# Altium PCB GrunMasterBox.PcbDoc (part 2 of 3)
Units mil, origin at the board's own origin, x right, y up, seen from the top; angles counter-clockwise.
Board outline 5866.14 x 2850.39 mil, 4 copper layers (Component Side, Ground Plane, Power Plane, Solder Side), stack 67.604 mil thick; 165 components, 119 nets, 595 pads, 2267 vias.
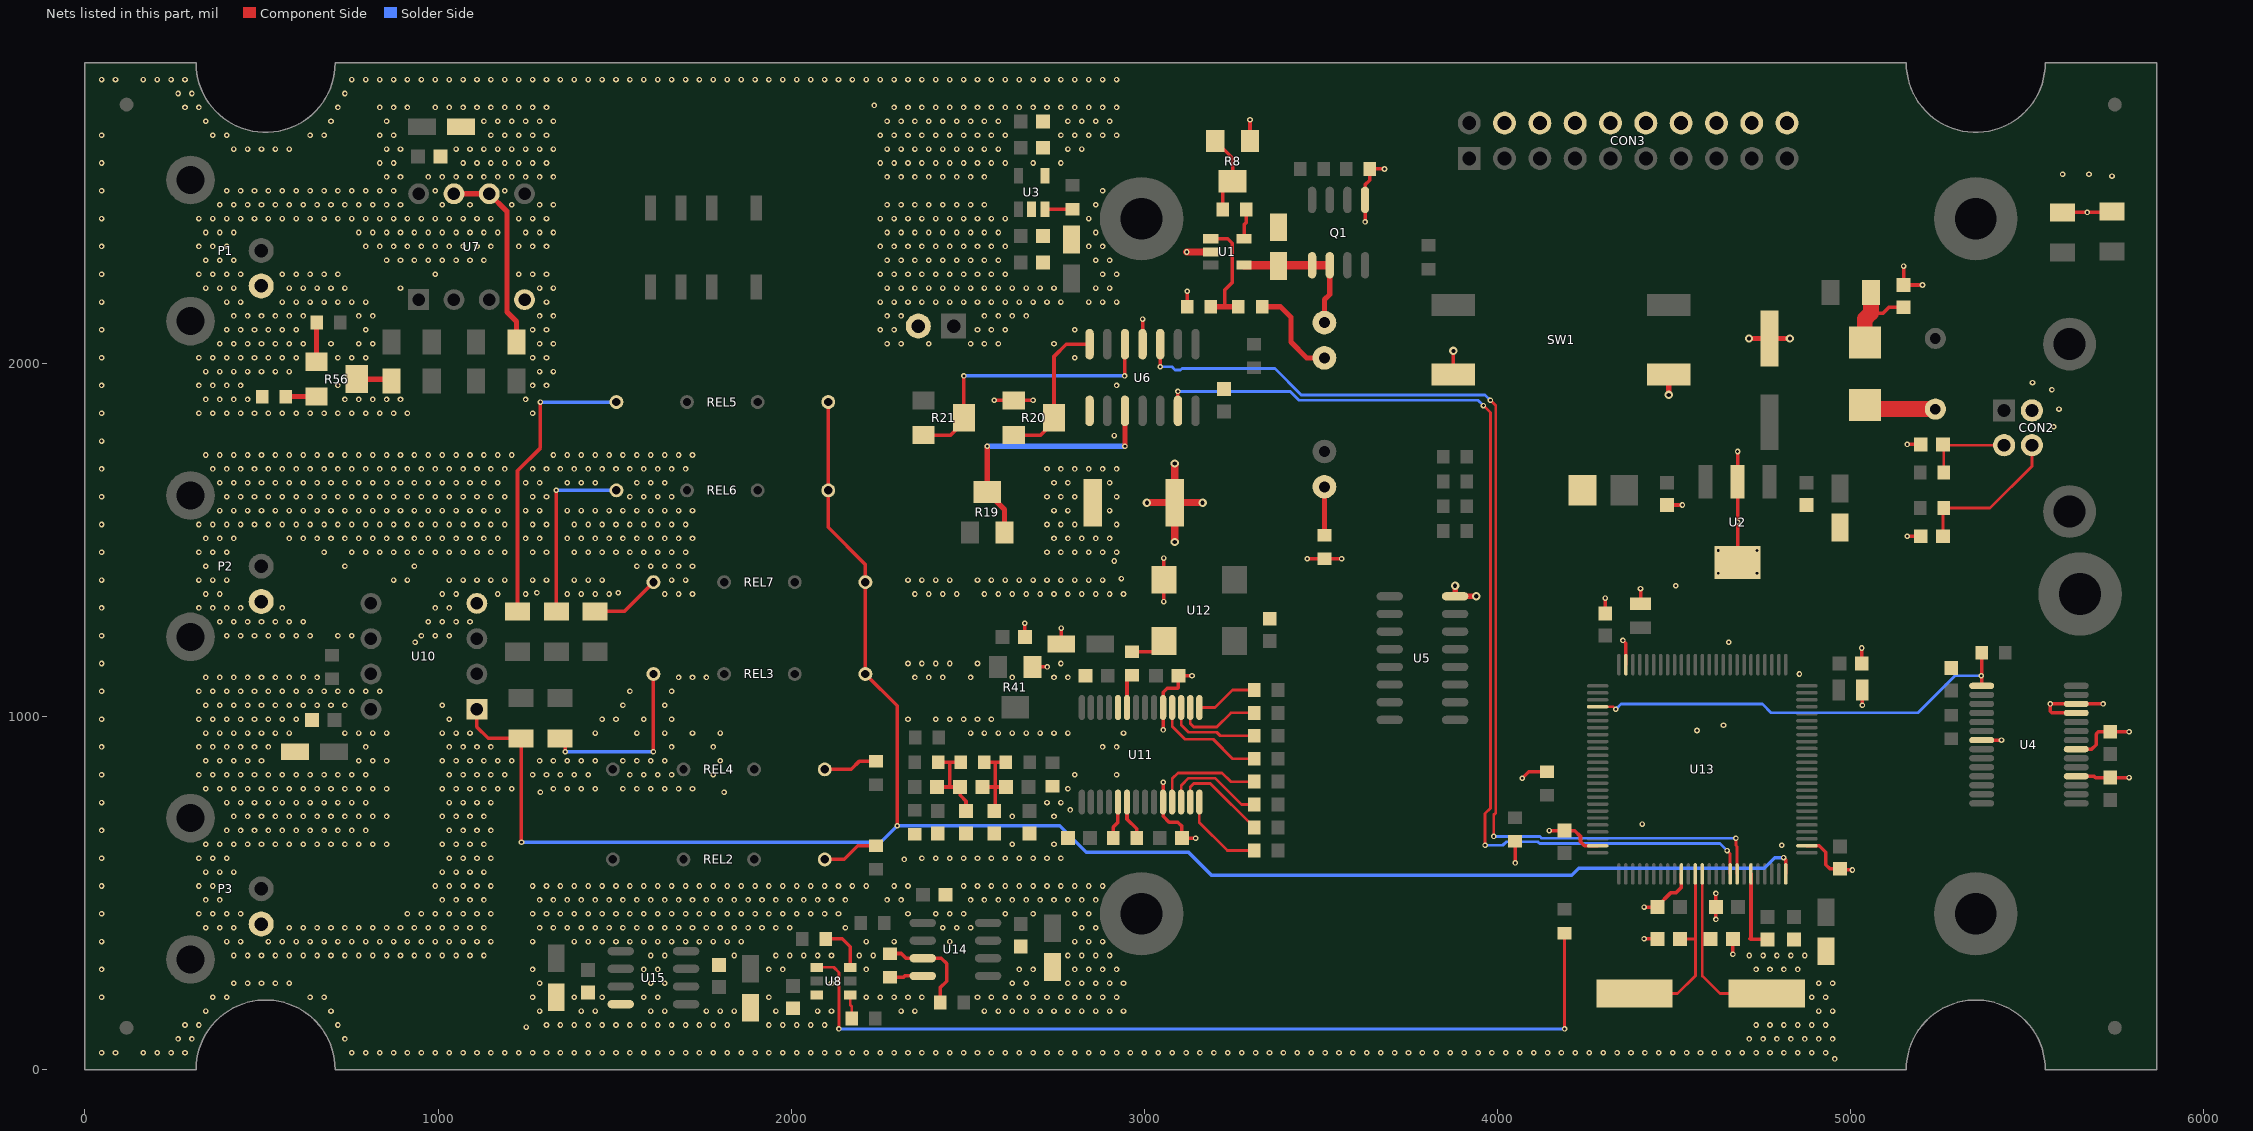
[diagram p4: the nets of this part, all layers, seen from the top]

## Via types
v1: diameter 15.75, hole 7.87, Component Side to Solder Side, 1956 vias
v2: diameter 15.75, hole 7.87, Component Side to Solder Side, tented both sides, 266 vias
v3: diameter 23.62, hole 11.81, Component Side to Solder Side, tented both sides, 45 vias

## Nets (pads, with @x,y where several pads share a name; then routed paths per layer and width w, separated by ;. In a path a pad name is that pad's centre, name@x,y a point inside that pad or via, vN(x,y) a via of type N, cw(c..) or ccw(c..) an arc to the next point about the centre after c; other vN are vias at no path point) (continued)
FTDITX: R13.1 U4.1 U13.79 | length 1233
  Component Side w8: U13.79@4283.74,1027.17 4327.83,1027.17
  Component Side w10: U4.1@5371.14,1086.34 5371.54,1086.73 R13.1@5371.54,1180
  Solder Side w8: v2(4335,1020) 4350,1035 4750,1035 4775,1010 5190,1010 5295,1115 v2(5370,1115)
GND: C1.2 C2.1 C3.2 C5.2 C6.1 C7.1 C8.2 C9.1 C10.1 C11.2 C16.1 C17.1 C18.1 C20.1 C23.2 C34.2 C38.2 C39.1 C40.1 C41.1 C42.1 C43.1 C44.1 C46.1 C47.1 C50.1 C51.1 CON2.4 CON3.4 CON3.6 CON3.8 CON3.10 CON3.12 CON3.14 CON3.16 CON3.18 CON3.20 Q1.1 R2.2 R7.2 R8.3 R9.1 R11.2 R12.2 R42.2 R46.1 SW1.3 SW1.4 U1.2 U2.2 U2.4 U4.7 U4.18 U4.21 U4.25 U4.26 U5.8 U6.4 U11.5 U11.24 U12.2 U13.10 U13.27 U13.74 U13.99 | length 4206
  Component Side w10: U6.4@2995,2053.98 v2(2995,2125) ; v2(3053.23,813.23) U11.24@3053.23,757.28 3053.23,716.77 3070,700 3095,700 3106.5,688.5 C23.2@3106.5,655 v2(3145,655) ; v2(3053.23,961.77) U11.5@3053.23,1025 3053.23,1068.23 3065,1080 3095,1080 3096.5,1081.5 C38.2@3096.5,1115 v2(3135,1115) ; v2(3055,1325) U12.2@3055,1386.61 v2(3055,1448.23) ; R7.2@3121.54,2160 v2(3121.54,2203.46) ; R8.3@3299.21,2629.17 v2(3299.21,2689.21) ; v2(3461.54,1446.54) R11.2@3510,1446.54 v2(3558.46,1446.54) ; v2(3625,2400) Q1.1@3625,2462.52 3625,2505 3638.46,2518.46 R2.2@3638.46,2550 v2(3680,2550) ; SW1.3@3874.76,1968.15 3874.76,2034.76 v3(3875,2035) ; v2(4050,585) R42.2@4050,646.54 ; v2(4070,825) 4088.46,843.46 R46.1@4140,843.46 ; v2(4146.5,676.5) C44.1@4190,676.5 4218.5,676.5 4235,660 4235,645 4246.54,633.46 U13.99@4283.74,633.46 ; C43.1@4305,1291.5 v2(4305,1335) ; v2(4355,1215) 4363.46,1206.54 U13.74@4363.46,1146.26 ; C50.1@4405,1318.46 v2(4405,1361.97) ; v2(4415,370) C47.1@4453.5,370 ; v2(4415,460) C39.1@4453.5,460 4453.5,463.5 4490,500 4505,500 4520.94,515.94 U13.10@4520.94,553.74 ; C10.1@4480,1598.5 v2(4523.5,1598.5) ; v2(4618.5,425) C40.1@4618.5,460 v2(4618.5,498.5) ; v2(4666.5,326.5) C46.1@4666.5,370 ; U2.4@4680,1435.83 U2.2@4680,1664.17 v2(4680,1750) ; U13.27@4876.26,633.46 4911.54,633.46 4930,615 4930,580 4941.5,568.5 C41.1@4970,568.5 4973.5,565 v2(5005,565) ; C42.1@5031.5,1150 v2(5031.5,1193.5) ; v2(5033.46,1031.5) C51.1@5033.46,1075 ; v2(5150,2275) C2.1@5150,2221.5 v2(5203.5,2221.5) ; v2(5160,1510) C7.1@5198.5,1510 ; v2(5160,1770) C6.1@5198.5,1770 ; U4.7@5371.14,932.8 v2(5427.2,932.8) ; R9.1@5600,2427.09 5737.09,2427.09 C5.2@5740,2430 ; U4.18@5638.86,830.43 5689.57,830.43 5693.5,826.5 C16.1@5735,826.5 v2(5788.5,826.5) ; U4.21@5638.86,907.2 5682.2,907.2 5695,920 5695,950 5701.5,956.5 C17.1@5735,956.5 v2(5788.5,956.5) ; U4.25@5638.86,1009.57 5570.43,1009.57 5565.16,1014.84 v2(5565.16,1035.16) U4.26@5638.86,1035.16 v2(5714.84,1035.16)
  Component Side w15: v3(3880,1369.96) U5.8@3880,1340 v3(3940,1340) ; v3(4485,1910.24) SW1.4@4485,1968.15 ; v3(4712.09,2070) C1.2@4770,2070 v3(4827.91,2070)
  Component Side w20: v3(3007.28,1605) R12.2@3086.14,1605 ; v3(3086.14,1493.86) R12.2@3086.14,1605 ; v3(3086.14,1716.14) R12.2@3086.14,1605 ; v2(3120,2315) U1.2@3187.76,2315 ; v3(3165,1605) R12.2@3086.14,1605
  other v2: 4805,635 4410,695 4565,960 4640,975 4855,1120 4655,1210 4505,1370 4625,1405 4735,1405 4625,1470 4735,1470 4680,1550 5575,1820 5590,1870 5570,1925 5515,1945 5670,2427.09 5740,2530 5600,2535 5675,2535
GNDA: C4.2 C12.1 C13.1 C14.1 C15.1 C19.2 C21.2 C22.1 C24.2 C25.2 C26.1 C30.1 C31.1 C32.1 C33.1 C35.1 C36.2 C37.2 C45.1 C48.2 C49.1 C52.2 C53.2 C54.2 C55.2 C56.2 C57.2 C58.2 CON1.2 P1.2 P2.2 P3.2 R12.1 R20.3 R36.1 R37.2 R38.2 R41.3 R50.2 R59.2 U3.2 U3.4 U6.8 U7.4 U8.3 U10.4 U11.10 U11.19 U13.20 U14.4 U15.4 | length 672.4
  Component Side w10: R50.2@2280,261.54 2318.46,261.54 2321.93,265 U14.4@2372.48,265 ; v2(2575,1895) R20.3@2630,1895 v2(2685,1895) ; C35.1@2661.5,1225 v2(2661.5,1263.5) ; R41.3@2683.43,1140 v2(2725,1140) ; C36.2@2764.88,1205 v2(2764.88,1249.88) ; R36.1@2911.54,655 2911.54,686.54 2925.28,700.28 U11.19@2925.28,757.28 ; U13.20@4717.8,553.74 4717.8,372.8 4715,370 4716.5,368.5 C45.1@4765,368.5
  other v1: 47.25,47.25 86.62,47.25 165.36,47.25 204.73,47.25 244.1,47.25 283.47,47.25 755.91,47.25 795.28,47.25 834.65,47.25 874.02,47.25 913.39,47.25 952.76,47.25 992.13,47.25 1031.5,47.25 1070.87,47.25 1110.24,47.25 1149.61,47.25 1188.98,47.25 1228.35,47.25 1267.72,47.25 1307.09,47.25 1346.46,47.25 1385.83,47.25 1425.2,47.25 1464.57,47.25 1503.94,47.25 1543.31,47.25 1582.68,47.25 1622.05,47.25 1661.42,47.25 1700.79,47.25 1740.16,47.25 1779.53,47.25 1818.9,47.25 1858.27,47.25 1897.64,47.25 1937.01,47.25 1976.38,47.25 2015.75,47.25 2055.12,47.25 2094.49,47.25 2133.86,47.25 2173.23,47.25 2212.6,47.25 2251.97,47.25 2291.34,47.25 2330.72,47.25 2370.09,47.25 2409.46,47.25 2448.83,47.25 2488.2,47.25 2527.57,47.25 2566.94,47.25 2606.31,47.25 2645.68,47.25 2685.05,47.25 2724.42,47.25 2763.79,47.25 2803.16,47.25 2842.53,47.25 2881.9,47.25 2921.27,47.25 2960.64,47.25 3000.01,47.25 3039.38,47.25 3078.75,47.25 3118.12,47.25 3157.49,47.25 3196.86,47.25 3236.23,47.25 3275.6,47.25 3314.97,47.25 3354.34,47.25 3393.71,47.25 3433.08,47.25 3472.45,47.25 3511.82,47.25 3551.19,47.25 3590.56,47.25 3629.93,47.25 3669.3,47.25 3708.67,47.25 3748.04,47.25 3787.41,47.25 3826.78,47.25 3866.15,47.25 3905.52,47.25 3944.89,47.25 3984.26,47.25 4023.63,47.25 4063,47.25 4102.37,47.25 4141.74,47.25 4181.11,47.25 4220.48,47.25 4259.85,47.25 4299.22,47.25 4338.59,47.25 4377.96,47.25 4417.33,47.25 4456.7,47.25 4496.07,47.25 4535.44,47.25 4574.81,47.25 4614.18,47.25 4653.55,47.25 4692.92,47.25 4732.29,47.25 4771.66,47.25 4811.03,47.25 4850.4,47.25 4889.77,47.25 4929.14,47.25 263.78,86.62 303.15,86.62 736.23,86.62 4712.61,86.62 4751.98,86.62 4791.35,86.62 4830.72,86.62 4870.09,86.62 4909.46,86.62 4948.83,86.62 283.47,125.99 322.84,125.99 716.54,125.99 1307.09,125.99 1346.46,125.99 1385.83,125.99 1425.2,125.99 1464.57,125.99 1503.94,125.99 1543.31,125.99 1582.68,125.99 1622.05,125.99 1661.42,125.99 1700.79,125.99 1740.16,125.99 1779.53,125.99 1818.9,125.99 1937.01,125.99 1976.38,125.99 2015.75,125.99 2055.12,125.99 2094.49,125.99 4732.29,125.99 4771.66,125.99 4811.03,125.99 4850.4,125.99 4889.77,125.99 4929.14,125.99 342.52,165.36 696.86,165.36 1287.41,165.36 1405.52,165.36 1444.89,165.36 1602.37,165.36 1641.74,165.36 1759.85,165.36 1799.22,165.36 1838.59,165.36 1956.7,165.36 2074.81,165.36 2114.18,165.36 2311.03,165.36 2350.4,165.36 2547.25,165.36 2586.62,165.36 2625.99,165.36 2665.36,165.36 2704.73,165.36 2744.1,165.36 2783.47,165.36 2822.84,165.36 2862.21,165.36 2901.58,165.36 2940.95,165.36 4909.46,165.36 4948.83,165.36 47.25,204.73 362.21,204.73 401.58,204.73 637.8,204.73 677.17,204.73 1267.72,204.73 1385.83,204.73 1464.57,204.73 1582.68,204.73 1622.05,204.73 1937.01,204.73 2212.6,204.73 2251.97,204.73 2291.34,204.73 2330.72,204.73 2370.09,204.73 2527.57,204.73 2566.94,204.73 2606.31,204.73 2645.68,204.73 2685.05,204.73 2724.42,204.73 2763.79,204.73 2803.16,204.73 2842.53,204.73 2881.9,204.73 2921.27,204.73 4889.77,204.73 4929.14,204.73 421.27,244.1 460.64,244.1 500.01,244.1 539.38,244.1 578.75,244.1 1287.41,244.1 1602.37,244.1 1641.74,244.1 2114.18,244.1 2625.99,244.1 2665.36,244.1 2783.47,244.1 2822.84,244.1 2862.21,244.1 2901.58,244.1 2940.95,244.1 4909.46,244.1 4948.83,244.1 47.25,283.47 1267.72,283.47 1582.68,283.47 1622.05,283.47 1937.01,283.47 1976.38,283.47 2212.6,283.47 2645.68,283.47 2685.05,283.47 2803.16,283.47 2842.53,283.47 2881.9,283.47 2921.27,283.47 4732.29,283.47 4771.66,283.47 4811.03,283.47 4850.4,283.47 421.27,322.84 460.64,322.84 500.01,322.84 539.38,322.84 578.75,322.84 618.12,322.84 657.49,322.84 696.86,322.84 736.23,322.84 775.6,322.84 814.97,322.84 854.34,322.84 893.71,322.84 933.08,322.84 972.45,322.84 1011.82,322.84 1051.19,322.84 1090.56,322.84 1129.93,322.84 1602.37,322.84 1641.74,322.84 1838.59,322.84 1956.7,322.84 1996.07,322.84 2035.44,322.84 2074.81,322.84 2114.18,322.84 2192.92,322.84 2232.29,322.84 2783.47,322.84 2822.84,322.84 2862.21,322.84 2901.58,322.84 4712.61,322.84 4751.98,322.84 4791.35,322.84 4830.72,322.84 4870.09,322.84 47.25,362.21 401.58,362.21 440.95,362.21 519.69,362.21 559.06,362.21 598.43,362.21 637.8,362.21 677.17,362.21 716.54,362.21 755.91,362.21 795.28,362.21 834.65,362.21 874.02,362.21 913.39,362.21 952.76,362.21 992.13,362.21 1031.5,362.21 1070.87,362.21 1110.24,362.21 1149.61,362.21 1267.72,362.21 1385.83,362.21 1425.2,362.21 1464.57,362.21 1503.94,362.21 1543.31,362.21 1582.68,362.21 1622.05,362.21 1661.42,362.21 1700.79,362.21 1740.16,362.21 1779.53,362.21 1818.9,362.21 1858.27,362.21 2212.6,362.21 2291.34,362.21 2448.83,362.21 2803.16,362.21 2842.53,362.21 2881.9,362.21 342.52,401.58 381.9,401.58 421.27,401.58 578.75,401.58 618.12,401.58 657.49,401.58 696.86,401.58 736.23,401.58 775.6,401.58 814.97,401.58 854.34,401.58 893.71,401.58 933.08,401.58 972.45,401.58 1011.82,401.58 1051.19,401.58 1090.56,401.58 1129.93,401.58 1287.41,401.58 1326.78,401.58 1366.15,401.58 1405.52,401.58 1444.89,401.58 1484.26,401.58 1523.63,401.58 1563,401.58 1602.37,401.58 1641.74,401.58 1681.11,401.58 1720.48,401.58 1759.85,401.58 1799.22,401.58 1838.59,401.58 1877.96,401.58 1917.33,401.58 1956.7,401.58 1996.07,401.58 2153.55,401.58 2429.14,401.58 2468.51,401.58 2507.88,401.58 2822.84,401.58 2862.21,401.58 47.25,440.95 322.84,440.95 362.21,440.95 401.58,440.95 440.95,440.95 913.39,440.95 952.76,440.95 992.13,440.95 1031.5,440.95 1070.87,440.95 1110.24,440.95 1149.61,440.95 1267.72,440.95 1307.09,440.95 1346.46,440.95 1385.83,440.95 1425.2,440.95 1464.57,440.95 1503.94,440.95 1543.31,440.95 1582.68,440.95 1622.05,440.95 1661.42,440.95 1700.79,440.95 1740.16,440.95 1779.53,440.95 1818.9,440.95 1858.27,440.95 1897.64,440.95 1937.01,440.95 1976.38,440.95 2015.75,440.95 2055.12,440.95 2094.49,440.95 2133.86,440.95 2330.72,440.95 2409.46,440.95 2448.83,440.95 2488.2,440.95 2606.31,440.95 2685.05,440.95 2803.16,440.95 2842.53,440.95 342.52,480.32 381.9,480.32 1011.82,480.32 1051.19,480.32 1090.56,480.32 1129.93,480.32 1287.41,480.32 1326.78,480.32 1366.15,480.32 1405.52,480.32 1444.89,480.32 1484.26,480.32 1523.63,480.32 1563,480.32 1602.37,480.32 1641.74,480.32 1681.11,480.32 1720.48,480.32 1759.85,480.32 1799.22,480.32 1838.59,480.32 1877.96,480.32 1917.33,480.32 1956.7,480.32 1996.07,480.32 2035.44,480.32 2074.81,480.32 2114.18,480.32 2153.55,480.32 2271.66,480.32 2311.03,480.32 2507.88,480.32 2547.25,480.32 2586.62,480.32 2625.99,480.32 2665.36,480.32 2704.73,480.32 2744.1,480.32 2783.47,480.32 2822.84,480.32 2862.21,480.32 47.25,519.69 322.84,519.69 362.21,519.69 992.13,519.69 1031.5,519.69 1070.87,519.69 1110.24,519.69 1149.61,519.69 1267.72,519.69 1307.09,519.69 1346.46,519.69 1385.83,519.69 1425.2,519.69 1464.57,519.69 1503.94,519.69 1543.31,519.69 1582.68,519.69 1622.05,519.69 1661.42,519.69 1700.79,519.69 1740.16,519.69 1779.53,519.69 1818.9,519.69 1858.27,519.69 1897.64,519.69 1937.01,519.69 1976.38,519.69 2015.75,519.69 2055.12,519.69 2094.49,519.69 2133.86,519.69 2173.23,519.69 2212.6,519.69 2291.34,519.69 2330.72,519.69 2488.2,519.69 2527.57,519.69 2566.94,519.69 2606.31,519.69 2645.68,519.69 2685.05,519.69 2724.42,519.69 2763.79,519.69 2803.16,519.69 2842.53,519.69 2881.9,519.69 342.52,559.06 381.9,559.06 421.27,559.06 1011.82,559.06 1051.19,559.06 1090.56,559.06 1129.93,559.06 47.25,598.43 322.84,598.43 362.21,598.43 401.58,598.43 1031.5,598.43 1070.87,598.43 1110.24,598.43 1149.61,598.43 2370.09,598.43 2409.46,598.43 2448.83,598.43 2488.2,598.43 2527.57,598.43 2566.94,598.43 2606.31,598.43 2645.68,598.43 2685.05,598.43 2724.42,598.43 2763.79,598.43 342.52,637.8 381.9,637.8 421.27,637.8 460.64,637.8 500.01,637.8 539.38,637.8 578.75,637.8 618.12,637.8 657.49,637.8 696.86,637.8 736.23,637.8 775.6,637.8 814.97,637.8 854.34,637.8 1011.82,637.8 1051.19,637.8 1090.56,637.8 1129.93,637.8 2625.99,637.8 2744.1,637.8 47.25,677.17 401.58,677.17 440.95,677.17 480.32,677.17 519.69,677.17 559.06,677.17 598.43,677.17 637.8,677.17 677.17,677.17 716.54,677.17 755.91,677.17 795.28,677.17 1031.5,677.17 1070.87,677.17 1110.24,677.17 1149.61,677.17 421.27,716.54 460.64,716.54 500.01,716.54 539.38,716.54 578.75,716.54 618.12,716.54 657.49,716.54 696.86,716.54 736.23,716.54 775.6,716.54 814.97,716.54 854.34,716.54 1011.82,716.54 1051.19,716.54 1090.56,716.54 1129.93,716.54 2625.99,716.54 2744.1,716.54 47.25,755.91 401.58,755.91 440.95,755.91 480.32,755.91 519.69,755.91 559.06,755.91 598.43,755.91 637.8,755.91 677.17,755.91 716.54,755.91 755.91,755.91 795.28,755.91 1031.5,755.91 1070.87,755.91 1110.24,755.91 1149.61,755.91 2724.42,755.91 2763.79,755.91 342.52,795.28 381.9,795.28 421.27,795.28 460.64,795.28 500.01,795.28 539.38,795.28 578.75,795.28 618.12,795.28 657.49,795.28 696.86,795.28 736.23,795.28 775.6,795.28 814.97,795.28 854.34,795.28 1011.82,795.28 1051.19,795.28 1090.56,795.28 1129.93,795.28 1169.3,795.28 1208.67,795.28 1326.78,795.28 1366.15,795.28 1405.52,795.28 1444.89,795.28 1523.63,795.28 1563,795.28 1602.37,795.28 1641.74,795.28 1681.11,795.28 1720.48,795.28 2783.47,795.28 47.25,834.65 322.84,834.65 362.21,834.65 401.58,834.65 440.95,834.65 480.32,834.65 519.69,834.65 559.06,834.65 598.43,834.65 637.8,834.65 677.17,834.65 716.54,834.65 755.91,834.65 795.28,834.65 1031.5,834.65 1070.87,834.65 1110.24,834.65 1149.61,834.65 1188.98,834.65 1267.72,834.65 1307.09,834.65 1346.46,834.65 1385.83,834.65 1425.2,834.65 1543.31,834.65 1582.68,834.65 1622.05,834.65 1661.42,834.65 1779.53,834.65 2803.16,834.65 2921.27,834.65 342.52,874.02 381.9,874.02 421.27,874.02 460.64,874.02 500.01,874.02 775.6,874.02 814.97,874.02 854.34,874.02 1011.82,874.02 1051.19,874.02 1090.56,874.02 1129.93,874.02 1169.3,874.02 1208.67,874.02 1287.41,874.02 1326.78,874.02 1366.15,874.02 1405.52,874.02 1444.89,874.02 1523.63,874.02 1563,874.02 1602.37,874.02 1641.74,874.02 1799.22,874.02 47.25,913.39 322.84,913.39 362.21,913.39 401.58,913.39 440.95,913.39 480.32,913.39 519.69,913.39 795.28,913.39 1031.5,913.39 1070.87,913.39 1110.24,913.39 1149.61,913.39 1661.42,913.39 1779.53,913.39 2881.9,913.39 2921.27,913.39 342.52,952.76 381.9,952.76 421.27,952.76 460.64,952.76 500.01,952.76 539.38,952.76 578.75,952.76 736.23,952.76 775.6,952.76 814.97,952.76 854.34,952.76 1011.82,952.76 1051.19,952.76 1090.56,952.76 1444.89,952.76 1563,952.76 1641.74,952.76 1720.48,952.76 1799.22,952.76 2507.88,952.76 2547.25,952.76 2586.62,952.76 2625.99,952.76 2665.36,952.76 2704.73,952.76 2744.1,952.76 2783.47,952.76 2940.95,952.76 47.25,992.13 322.84,992.13 362.21,992.13 401.58,992.13 440.95,992.13 480.32,992.13 519.69,992.13 559.06,992.13 598.43,992.13 1031.5,992.13 1464.57,992.13 1503.94,992.13 1582.68,992.13 1661.42,992.13 2330.72,992.13 2409.46,992.13 2448.83,992.13 2488.2,992.13 2527.57,992.13 2566.94,992.13 342.52,1031.5 381.9,1031.5 421.27,1031.5 460.64,1031.5 500.01,1031.5 539.38,1031.5 578.75,1031.5 618.12,1031.5 657.49,1031.5 696.86,1031.5 736.23,1031.5 1011.82,1031.5 1523.63,1031.5 1641.74,1031.5 47.25,1070.87 322.84,1070.87 362.21,1070.87 401.58,1070.87 440.95,1070.87 480.32,1070.87 519.69,1070.87 559.06,1070.87 598.43,1070.87 637.8,1070.87 677.17,1070.87 716.54,1070.87 755.91,1070.87 795.28,1070.87 834.65,1070.87 1543.31,1070.87 1661.42,1070.87 342.52,1110.24 381.9,1110.24 421.27,1110.24 460.64,1110.24 500.01,1110.24 539.38,1110.24 578.75,1110.24 618.12,1110.24 657.49,1110.24 1681.11,1110.24 1720.48,1110.24 1759.85,1110.24 2350.4,1110.24 2389.77,1110.24 2429.14,1110.24 2507.88,1110.24 2625.99,1110.24 2744.1,1110.24 2783.47,1110.24 47.25,1149.61 2330.72,1149.61 2370.09,1149.61 2409.46,1149.61 2448.83,1149.61 2527.57,1149.61 2763.79,1149.61 47.25,1228.35 401.58,1228.35 440.95,1228.35 480.32,1228.35 519.69,1228.35 559.06,1228.35 598.43,1228.35 637.8,1228.35 716.54,1228.35 755.91,1228.35 952.76,1228.35 992.13,1228.35 1031.5,1228.35 381.9,1267.72 421.27,1267.72 460.64,1267.72 500.01,1267.72 539.38,1267.72 578.75,1267.72 618.12,1267.72 972.45,1267.72 1011.82,1267.72 1051.19,1267.72 1090.56,1267.72 47.25,1307.09 322.84,1307.09 362.21,1307.09 401.58,1307.09 440.95,1307.09 559.06,1307.09 992.13,1307.09 1031.5,1307.09 342.52,1346.46 381.9,1346.46 1011.82,1346.46 1051.19,1346.46 1169.3,1346.46 1248.04,1346.46 1366.15,1346.46 1405.52,1346.46 1444.89,1346.46 1484.26,1346.46 1641.74,1346.46 1681.11,1346.46 1720.48,1346.46 2350.4,1346.46 2389.77,1346.46 2429.14,1346.46 2468.51,1346.46 2547.25,1346.46 2586.62,1346.46 2625.99,1346.46 2665.36,1346.46 2704.73,1346.46 2744.1,1346.46 2783.47,1346.46 2822.84,1346.46 2862.21,1346.46 2901.58,1346.46 2940.95,1346.46 47.25,1385.83 322.84,1385.83 362.21,1385.83 401.58,1385.83 874.02,1385.83 913.39,1385.83 1031.5,1385.83 1070.87,1385.83 1110.24,1385.83 1149.61,1385.83 1188.98,1385.83 1267.72,1385.83 1307.09,1385.83 1385.83,1385.83 1425.2,1385.83 1464.57,1385.83 1661.42,1385.83 1700.79,1385.83 2330.72,1385.83 2370.09,1385.83 2409.46,1385.83 2448.83,1385.83 2527.57,1385.83 2566.94,1385.83 2606.31,1385.83 2645.68,1385.83 2685.05,1385.83 2724.42,1385.83 2763.79,1385.83 2803.16,1385.83 2842.53,1385.83 2881.9,1385.83 342.52,1425.2 736.23,1425.2 933.08,1425.2 1563,1425.2 1602.37,1425.2 1641.74,1425.2 1681.11,1425.2 1720.48,1425.2 47.25,1464.57 322.84,1464.57 362.21,1464.57 401.58,1464.57 677.17,1464.57 755.91,1464.57 795.28,1464.57 834.65,1464.57 874.02,1464.57 913.39,1464.57 952.76,1464.57 992.13,1464.57 1031.5,1464.57 1070.87,1464.57 1110.24,1464.57 1149.61,1464.57 1188.98,1464.57 1267.72,1464.57 1307.09,1464.57 1385.83,1464.57 1425.2,1464.57 1464.57,1464.57 1503.94,1464.57 1543.31,1464.57 1582.68,1464.57 1622.05,1464.57 1661.42,1464.57 1700.79,1464.57 2724.42,1464.57 2763.79,1464.57 2803.16,1464.57 2842.53,1464.57 2881.9,1464.57 2921.27,1464.57 342.52,1503.94 381.9,1503.94 421.27,1503.94 578.75,1503.94 618.12,1503.94 657.49,1503.94 696.86,1503.94 736.23,1503.94 775.6,1503.94 814.97,1503.94 854.34,1503.94 893.71,1503.94 933.08,1503.94 972.45,1503.94 1011.82,1503.94 1051.19,1503.94 1090.56,1503.94 1129.93,1503.94 1169.3,1503.94 1248.04,1503.94 1287.41,1503.94 1366.15,1503.94 1405.52,1503.94 1444.89,1503.94 1484.26,1503.94 1523.63,1503.94 1563,1503.94 1602.37,1503.94 1641.74,1503.94 1681.11,1503.94 1720.48,1503.94 2744.1,1503.94 2783.47,1503.94 2822.84,1503.94 2862.21,1503.94 2901.58,1503.94 47.25,1543.31 322.84,1543.31 362.21,1543.31 401.58,1543.31 440.95,1543.31 480.32,1543.31 519.69,1543.31 559.06,1543.31 598.43,1543.31 637.8,1543.31 677.17,1543.31 716.54,1543.31 755.91,1543.31 795.28,1543.31 834.65,1543.31 874.02,1543.31 913.39,1543.31 952.76,1543.31 992.13,1543.31 1031.5,1543.31 1070.87,1543.31 1110.24,1543.31 1149.61,1543.31 1188.98,1543.31 1267.72,1543.31 1307.09,1543.31 1385.83,1543.31 1425.2,1543.31 1464.57,1543.31 1503.94,1543.31 1543.31,1543.31 1582.68,1543.31 1622.05,1543.31 1661.42,1543.31 1700.79,1543.31 2724.42,1543.31 2763.79,1543.31 2803.16,1543.31 2921.27,1543.31 381.9,1582.68 421.27,1582.68 460.64,1582.68 500.01,1582.68 539.38,1582.68 578.75,1582.68 618.12,1582.68 657.49,1582.68 696.86,1582.68 736.23,1582.68 775.6,1582.68 814.97,1582.68 854.34,1582.68 893.71,1582.68 933.08,1582.68 972.45,1582.68 1011.82,1582.68 1051.19,1582.68 1090.56,1582.68 1129.93,1582.68 1169.3,1582.68 1248.04,1582.68 1287.41,1582.68 1366.15,1582.68 1405.52,1582.68 1444.89,1582.68 1484.26,1582.68 1523.63,1582.68 1563,1582.68 1602.37,1582.68 1641.74,1582.68 1681.11,1582.68 1720.48,1582.68 2744.1,1582.68 2783.47,1582.68 2901.58,1582.68 47.25,1622.05 401.58,1622.05 440.95,1622.05 480.32,1622.05 519.69,1622.05 559.06,1622.05 598.43,1622.05 637.8,1622.05 677.17,1622.05 716.54,1622.05 755.91,1622.05 795.28,1622.05 834.65,1622.05 874.02,1622.05 913.39,1622.05 952.76,1622.05 992.13,1622.05 1031.5,1622.05 1070.87,1622.05 1110.24,1622.05 1149.61,1622.05 1188.98,1622.05 1267.72,1622.05 1307.09,1622.05 1543.31,1622.05 1582.68,1622.05 1622.05,1622.05 1661.42,1622.05 2724.42,1622.05 2763.79,1622.05 2803.16,1622.05 2921.27,1622.05 381.9,1661.42 421.27,1661.42 460.64,1661.42 500.01,1661.42 539.38,1661.42 578.75,1661.42 618.12,1661.42 657.49,1661.42 696.86,1661.42 736.23,1661.42 775.6,1661.42 814.97,1661.42 854.34,1661.42 893.71,1661.42 933.08,1661.42 972.45,1661.42 1011.82,1661.42 1051.19,1661.42 1090.56,1661.42 1129.93,1661.42 1169.3,1661.42 1248.04,1661.42 1287.41,1661.42 1366.15,1661.42 1405.52,1661.42 1444.89,1661.42 1563,1661.42 1602.37,1661.42 1641.74,1661.42 2744.1,1661.42 2783.47,1661.42 2901.58,1661.42 47.25,1700.79 362.21,1700.79 401.58,1700.79 440.95,1700.79 480.32,1700.79 519.69,1700.79 559.06,1700.79 598.43,1700.79 637.8,1700.79 677.17,1700.79 716.54,1700.79 755.91,1700.79 795.28,1700.79 834.65,1700.79 874.02,1700.79 913.39,1700.79 952.76,1700.79 992.13,1700.79 1031.5,1700.79 1070.87,1700.79 1110.24,1700.79 1149.61,1700.79 1188.98,1700.79 1267.72,1700.79 1307.09,1700.79 1346.46,1700.79 1385.83,1700.79 1425.2,1700.79 1464.57,1700.79 1503.94,1700.79 1543.31,1700.79 1582.68,1700.79 1622.05,1700.79 1661.42,1700.79 1700.79,1700.79 2724.42,1700.79 2763.79,1700.79 2803.16,1700.79 2842.53,1700.79 2881.9,1700.79 2921.27,1700.79 342.52,1740.16 381.9,1740.16 421.27,1740.16 460.64,1740.16 500.01,1740.16 539.38,1740.16 578.75,1740.16 618.12,1740.16 657.49,1740.16 696.86,1740.16 736.23,1740.16 775.6,1740.16 814.97,1740.16 854.34,1740.16 893.71,1740.16 933.08,1740.16 972.45,1740.16 1011.82,1740.16 1051.19,1740.16 1090.56,1740.16 1129.93,1740.16 1169.3,1740.16 1208.67,1740.16 1326.78,1740.16 1366.15,1740.16 1405.52,1740.16 1444.89,1740.16 1484.26,1740.16 1523.63,1740.16 1563,1740.16 1602.37,1740.16 1641.74,1740.16 1681.11,1740.16 1720.48,1740.16 47.25,1779.53 47.25,1858.27 322.84,1858.27 362.21,1858.27 401.58,1858.27 440.95,1858.27 480.32,1858.27 519.69,1858.27 559.06,1858.27 598.43,1858.27 637.8,1858.27 677.17,1858.27 716.54,1858.27 755.91,1858.27 795.28,1858.27 834.65,1858.27 874.02,1858.27 913.39,1858.27 1267.72,1858.27 342.52,1897.64 381.9,1897.64 421.27,1897.64 460.64,1897.64 736.23,1897.64 775.6,1897.64 814.97,1897.64 854.34,1897.64 893.71,1897.64 1248.04,1897.64 47.25,1937.01 322.84,1937.01 362.21,1937.01 401.58,1937.01 440.95,1937.01 716.54,1937.01 1267.72,1937.01 1307.09,1937.01 2921.27,1937.01 342.52,1976.38 381.9,1976.38 421.27,1976.38 460.64,1976.38 500.01,1976.38 539.38,1976.38 578.75,1976.38 1287.41,1976.38 1326.78,1976.38 47.25,2015.75 322.84,2015.75 362.21,2015.75 401.58,2015.75 440.95,2015.75 480.32,2015.75 519.69,2015.75 559.06,2015.75 598.43,2015.75 716.54,2015.75 755.91,2015.75 795.28,2015.75 1267.72,2015.75 1307.09,2015.75 2803.16,2015.75 381.9,2055.12 421.27,2055.12 460.64,2055.12 500.01,2055.12 539.38,2055.12 578.75,2055.12 618.12,2055.12 696.86,2055.12 775.6,2055.12 814.97,2055.12 1287.41,2055.12 1326.78,2055.12 2271.66,2055.12 2311.03,2055.12 2389.77,2055.12 2507.88,2055.12 2547.25,2055.12 2586.62,2055.12 2744.1,2055.12 47.25,2094.49 401.58,2094.49 440.95,2094.49 480.32,2094.49 519.69,2094.49 559.06,2094.49 598.43,2094.49 795.28,2094.49 1267.72,2094.49 1307.09,2094.49 2251.97,2094.49 2291.34,2094.49 2527.57,2094.49 2566.94,2094.49 2606.31,2094.49 2803.16,2094.49 421.27,2133.86 460.64,2133.86 500.01,2133.86 539.38,2133.86 578.75,2133.86 618.12,2133.86 775.6,2133.86 814.97,2133.86 1287.41,2133.86 1326.78,2133.86 2271.66,2133.86 2311.03,2133.86 2547.25,2133.86 2586.62,2133.86 2625.99,2133.86 2665.36,2133.86 47.25,2173.23 401.58,2173.23 440.95,2173.23 559.06,2173.23 598.43,2173.23 637.8,2173.23 677.17,2173.23 716.54,2173.23 755.91,2173.23 795.28,2173.23 1307.09,2173.23 2251.97,2173.23 2291.34,2173.23 2330.72,2173.23 2370.09,2173.23 2409.46,2173.23 2448.83,2173.23 2488.2,2173.23 2527.57,2173.23 2566.94,2173.23 2606.31,2173.23 2645.68,2173.23 2685.05,2173.23 2724.42,2173.23 2763.79,2173.23 2842.53,2173.23 2881.9,2173.23 2921.27,2173.23 342.52,2212.6 381.9,2212.6 421.27,2212.6 578.75,2212.6 618.12,2212.6 657.49,2212.6 696.86,2212.6 736.23,2212.6 893.71,2212.6 1287.41,2212.6 1326.78,2212.6 2271.66,2212.6 2311.03,2212.6 2350.4,2212.6 2389.77,2212.6 2429.14,2212.6 2468.51,2212.6 2507.88,2212.6 2547.25,2212.6 2586.62,2212.6 2625.99,2212.6 2665.36,2212.6 2704.73,2212.6 2744.1,2212.6 2862.21,2212.6 2901.58,2212.6 47.25,2251.97 322.84,2251.97 362.21,2251.97 401.58,2251.97 440.95,2251.97 559.06,2251.97 598.43,2251.97 637.8,2251.97 677.17,2251.97 716.54,2251.97 992.13,2251.97 1228.35,2251.97 1267.72,2251.97 1307.09,2251.97 2251.97,2251.97 2291.34,2251.97 2330.72,2251.97 2370.09,2251.97 2409.46,2251.97 2448.83,2251.97 2488.2,2251.97 2527.57,2251.97 2566.94,2251.97 2606.31,2251.97 2881.9,2251.97 2921.27,2251.97 342.52,2291.34 381.9,2291.34 421.27,2291.34 854.34,2291.34 893.71,2291.34 933.08,2291.34 972.45,2291.34 1011.82,2291.34 1051.19,2291.34 1090.56,2291.34 1129.93,2291.34 2271.66,2291.34 2311.03,2291.34 2350.4,2291.34 2389.77,2291.34 2429.14,2291.34 2468.51,2291.34 2507.88,2291.34 2547.25,2291.34 2586.62,2291.34 2862.21,2291.34 2901.58,2291.34 47.25,2330.71 322.84,2330.71 362.21,2330.71 401.58,2330.71 795.28,2330.71 834.65,2330.71 874.02,2330.71 913.39,2330.71 952.76,2330.71 992.13,2330.71 1031.5,2330.71 1070.87,2330.71 1110.24,2330.71 1149.61,2330.71 1228.35,2330.71 1267.72,2330.71 1307.09,2330.71 2251.97,2330.71 2291.34,2330.71 2330.72,2330.71 2370.09,2330.71 2409.46,2330.71 2448.83,2330.71 2488.2,2330.71 2527.57,2330.71 2566.94,2330.71 2606.31,2330.71 2842.53,2330.71 2881.9,2330.71 342.52,2370.08 381.9,2370.08 421.27,2370.08 775.6,2370.08 814.97,2370.08 854.34,2370.08 893.71,2370.08 933.08,2370.08 972.45,2370.08 1011.82,2370.08 1051.19,2370.08 1090.56,2370.08 1129.93,2370.08 1169.3,2370.08 1248.04,2370.08 1287.41,2370.08 1326.78,2370.08 2271.66,2370.08 2311.03,2370.08 2350.4,2370.08 2389.77,2370.08 2429.14,2370.08 2468.51,2370.08 2507.88,2370.08 2547.25,2370.08 2586.62,2370.08 2862.21,2370.08 47.25,2409.45 322.84,2409.45 362.21,2409.45 401.58,2409.45 440.95,2409.45 480.32,2409.45 519.69,2409.45 559.06,2409.45 598.43,2409.45 637.8,2409.45 677.17,2409.45 716.54,2409.45 755.91,2409.45 795.28,2409.45 834.65,2409.45 874.02,2409.45 913.39,2409.45 952.76,2409.45 992.13,2409.45 1031.5,2409.45 1070.87,2409.45 1110.24,2409.45 1149.61,2409.45 1228.35,2409.45 1267.72,2409.45 1307.09,2409.45 2251.97,2409.45 2291.34,2409.45 2330.72,2409.45 2370.09,2409.45 2409.46,2409.45 2448.83,2409.45 2488.2,2409.45 2527.57,2409.45 2566.94,2409.45 2606.31,2409.45 2842.53,2409.45 381.9,2448.82 421.27,2448.82 460.64,2448.82 500.01,2448.82 539.38,2448.82 578.75,2448.82 618.12,2448.82 657.49,2448.82 696.86,2448.82 736.23,2448.82 775.6,2448.82 814.97,2448.82 854.34,2448.82 893.71,2448.82 1011.82,2448.82 1090.56,2448.82 1208.67,2448.82 1287.41,2448.82 1326.78,2448.82 2271.66,2448.82 2311.03,2448.82 2350.4,2448.82 2389.77,2448.82 2429.14,2448.82 2468.51,2448.82 2507.88,2448.82 2547.25,2448.82 2862.21,2448.82 47.25,2488.19 401.58,2488.19 440.95,2488.19 480.32,2488.19 519.69,2488.19 559.06,2488.19 598.43,2488.19 637.8,2488.19 677.17,2488.19 716.54,2488.19 755.91,2488.19 795.28,2488.19 834.65,2488.19 874.02,2488.19 992.13,2488.19 1188.98,2488.19 2881.9,2488.19 854.34,2527.56 893.71,2527.56 972.45,2527.56 1011.82,2527.56 1051.19,2527.56 1090.56,2527.56 1129.93,2527.56 1169.3,2527.56 1208.67,2527.56 1248.04,2527.56 1287.41,2527.56 1326.78,2527.56 2271.66,2527.56 2311.03,2527.56 2350.4,2527.56 2389.77,2527.56 2429.14,2527.56 2468.51,2527.56 2507.88,2527.56 2547.25,2527.56 47.25,2566.93 834.65,2566.93 874.02,2566.93 1070.87,2566.93 1110.24,2566.93 1149.61,2566.93 1188.98,2566.93 1228.35,2566.93 1267.72,2566.93 1307.09,2566.93 2251.97,2566.93 2291.34,2566.93 2330.72,2566.93 2370.09,2566.93 2409.46,2566.93 2448.83,2566.93 2488.2,2566.93 2527.57,2566.93 2566.94,2566.93 2606.31,2566.93 2685.05,2566.93 2763.79,2566.93 421.27,2606.3 460.64,2606.3 500.01,2606.3 539.38,2606.3 578.75,2606.3 854.34,2606.3 893.71,2606.3 1051.19,2606.3 1090.56,2606.3 1129.93,2606.3 1169.3,2606.3 1208.67,2606.3 1248.04,2606.3 1287.41,2606.3 1326.78,2606.3 2271.66,2606.3 2311.03,2606.3 2350.4,2606.3 2389.77,2606.3 2429.14,2606.3 2468.51,2606.3 2507.88,2606.3 2547.25,2606.3 2586.62,2606.3 2783.47,2606.3 2822.84,2606.3 47.25,2645.67 362.21,2645.67 401.58,2645.67 637.8,2645.67 677.17,2645.67 834.65,2645.67 874.02,2645.67 1149.61,2645.67 1188.98,2645.67 1228.35,2645.67 1267.72,2645.67 1307.09,2645.67 2251.97,2645.67 2291.34,2645.67 2330.72,2645.67 2370.09,2645.67 2409.46,2645.67 2448.83,2645.67 2488.2,2645.67 2527.57,2645.67 2566.94,2645.67 2606.31,2645.67 2763.79,2645.67 2803.16,2645.67 2842.53,2645.67 2881.9,2645.67 2921.27,2645.67 342.52,2685.04 696.86,2685.04 854.34,2685.04 1129.93,2685.04 1169.3,2685.04 1208.67,2685.04 1248.04,2685.04 1287.41,2685.04 1326.78,2685.04 2271.66,2685.04 2311.03,2685.04 2350.4,2685.04 2389.77,2685.04 2429.14,2685.04 2468.51,2685.04 2507.88,2685.04 2547.25,2685.04 2586.62,2685.04 2783.47,2685.04 2822.84,2685.04 2862.21,2685.04 2901.58,2685.04 283.47,2724.41 322.84,2724.41 716.54,2724.41 834.65,2724.41 874.02,2724.41 913.39,2724.41 992.13,2724.41 1031.5,2724.41 1070.87,2724.41 1110.24,2724.41 1149.61,2724.41 1188.98,2724.41 1228.35,2724.41 1267.72,2724.41 1307.09,2724.41 2291.34,2724.41 2330.72,2724.41 2370.09,2724.41 2409.46,2724.41 2448.83,2724.41 2488.2,2724.41 2527.57,2724.41 2566.94,2724.41 2606.31,2724.41 2645.68,2724.41 2685.05,2724.41 2724.42,2724.41 2763.79,2724.41 2803.16,2724.41 2842.53,2724.41 2881.9,2724.41 2921.27,2724.41 263.78,2763.78 303.15,2763.78 736.23,2763.78 47.25,2803.15 86.62,2803.15 165.36,2803.15 204.73,2803.15 244.1,2803.15 283.47,2803.15 755.91,2803.15 795.28,2803.15 834.65,2803.15 874.02,2803.15 913.39,2803.15 952.76,2803.15 992.13,2803.15 1031.5,2803.15 1070.87,2803.15 1110.24,2803.15 1149.61,2803.15 1188.98,2803.15 1228.35,2803.15 1267.72,2803.15 1307.09,2803.15 1346.46,2803.15 1385.83,2803.15 1425.2,2803.15 1464.57,2803.15 1503.94,2803.15 1543.31,2803.15 1582.68,2803.15 1622.05,2803.15 1661.42,2803.15 1700.79,2803.15 1740.16,2803.15 1779.53,2803.15 1818.9,2803.15 1858.27,2803.15 1897.64,2803.15 1937.01,2803.15 1976.38,2803.15 2015.75,2803.15 2055.12,2803.15 2094.49,2803.15 2133.86,2803.15 2173.23,2803.15 2212.6,2803.15 2251.97,2803.15 2291.34,2803.15 2330.72,2803.15 2370.09,2803.15 2409.46,2803.15 2448.83,2803.15 2488.2,2803.15 2527.57,2803.15 2566.94,2803.15 2606.31,2803.15 2645.68,2803.15 2685.05,2803.15 2724.42,2803.15 2763.79,2803.15 2803.16,2803.15 2842.53,2803.15 2881.9,2803.15 2921.27,2803.15
  other v2: 4955,30 1250,120 2320,595 2790,735 1290,785 1810,785 935,1210 1280,1350 1510,1350 2935,1390 2915,1440 2915,1795 2235,2730
IOUT: R33.1 REL3.1 REL5.1 REL6.1 REL7.1 U10.1 U13.25 | length 5482.4
  Component Side w10: U10.1@1110,1020 1110,970 1142.09,937.91 R33.1@1235,937.91 v2@1235,645 ; REL5.1@2105,1890 REL6.1@2105,1640 2105,1535 2210,1430 REL7.1@2210,1380 REL3.1@2210,1120 2300,1030 v2(2300,690) ; v2(4810,600) 4816.22,593.78 U13.25@4816.22,553.74
  Solder Side w10: v2(1236.31,643.69) 2253.69,643.69 v2(2300,690) 2760,690 2835,615 3125,615 3190,550 4210,550 4230,570 4755,570 4785,600 v2(4810,600)
MISO: U6.13 U13.17 | length 2965.4
  Component Side w8: v2(3960,1880) 3980,1860 3980,740 3965,725 v2(3965,635) ; v2(4650,620) 4658.74,611.26 U13.17@4658.74,553.74
  Component Side w10: U6.13@3095,1865 v2(3095,1920)
  Solder Side w8: v2(3095,1920) 3413.29,1920 3438.29,1895 3945,1895 v2(3960,1880) ; v2(3965,635) 4015,635 4025,645 4113.79,645 4118.79,640 4630,640 v2(4650,620)
MOSI: U6.3 U13.18 | length 3075.1
  Component Side w8: v2(3980,1895) 3995,1880 3995,726.69 3989.59,721.28 v2(3989.59,660) ; v2(4675,655) 4675,635 4678.43,631.57 U13.18@4678.43,553.74
  Component Side w10: v2(3045,1990) U6.3@3045,2053.98
  Solder Side w8: v2(3045,1990) 3078.31,1990 3087.18,1981.13 3102.82,1981.13 3106.69,1985 3369.5,1985 3444.5,1910 3965,1910 v2(3980,1895) ; v2(3989.59,660) 4120,660 4125,655 v2(4675,655)
NetC2_2: C2.2 D1.2 L1.1 | length 248.2
  Component Side w10: 5057.09,2142.09 5092.09,2142.09 5108.5,2158.5 C2.2@5150,2158.5
  Component Side w45: D1.2@5040,2058.58 5040,2125 5057.09,2142.09 L1.1@5057.09,2200
NetC3_1: C3.1 D2.1 Q1.5 Q1.6 U1.4 | length 411.5
  Component Side w15: D2.1@3510,2115 3510,2180 3525,2195 Q1.6@3525,2277.48
  Component Side w25: U1.4@3282.24,2277.6 3524.88,2277.6 Q1.6@3525,2277.48
NetC6_2: C6.2 CON2.2 R6.2 | length 249.2
  Component Side w8: R6.2@5263.46,1690 5263.46,1768.03 5263.7,1767.8 CON2.2@5434.57,1767.8
NetC7_2: C7.2 CON2.3 R5.2 | length 439.2
  Component Side w8: C7.2@5261.5,1510 5261.5,1588.03 R5.2@5263.46,1590 5395,1590 5513.31,1708.31 CON2.3@5513.31,1767.8
NetC27_2: C27.2 C28.1 C31.2 L2.2 L3.1 | length 267.7
  Component Side w10: C28.1@2541.5,800 C27.2@2608.5,800 ; L3.1@2546.93,870 2577.5,870 ; C31.2@2575,731.5 2577.5,734 2577.5,870 ; L2.2@2608.07,870 2577.5,870
NetC28_2: C28.2 C29.1 C32.2 L3.2 L4.1 | length 274.6
  Component Side w10: C29.1@2412.99,800 2450,800 ; L4.1@2416.93,870 2448.46,870 ; L3.2@2480,870 2448.46,870 ; C32.2@2495,731.5 2495,760 2478.5,776.5 C28.2@2478.5,800 2450,800 ; 2448.46,870 2448.46,801.54 2450,800
NetC46_2: C46.2 U13.13 Y1.1 | length 491.5
  Component Side w8: U13.13@4580,553.74 4580,265 4630,215 Y1.1@4762.01,215
NetC47_2: C47.2 U13.12 Y1.2 | length 525.4
  Component Side w8: Y1.2@4387.99,215 4510,215 4560.31,265.31 4560.31,370 ; C47.2@4516.5,370 4560.31,370 ; U13.12@4560.31,553.74 4560.31,370
NetD1_1: D1.1 F1.2 | length 204.7
  Component Side w45: D1.1@5040,1881.42 5051.42,1870 F1.2@5240,1870
NetD2_2: D2.2 R4.1 | length 277.6
  Component Side w15: R4.1@3333.46,2160 3385,2160 3415,2130 3415,2060 3460,2015 D2.2@3510,2015
NetD3_2: D3.2 R11.1 | length 136.5
  Component Side w15: R11.1@3510,1513.46 D3.2@3510,1650
NetR3_1: R3.1 U1.5 | length 85.2
  Component Side w10: U1.5@3282.24,2352.4 3282.24,2392.24 3288.46,2398.46 R3.1@3288.46,2435
NetR3_2: R3.2 R8.1 R8.2 | length 226.3
  Component Side w10: R8.1@3200.79,2629.17 3250,2579.96 R8.2@3250,2515 3221.54,2486.54 R3.2@3221.54,2435
NetR4_2: R4.2 R7.1 U1.1 | length 332.8
  Component Side w10: U1.1@3187.76,2352.4 3236.19,2352.4 3248.59,2340 3248.59,2228.59 3227.5,2207.5 3227.5,2160
  Component Side w15: R7.1@3188.46,2160 3227.5,2160 R4.2@3266.54,2160
NetR10_2: R10.2 U3.3 | length 78.3
  Component Side w10: U3.3@2718.35,2436.18 2796.14,2436.18 R10.2@2796.5,2436.54
NetR19_1: R19.1 R19.2 U6.10 | length 754.6
  Component Side w15: v2(2555,1765) R19.2@2555,1635 2604.21,1585.79 R19.1@2604.21,1520.83 ; v2(2945,1765) U6.10@2945,1865
  Solder Side w15: v2(2555,1765) v2(2945,1765)
NetR20_1: R20.1 R20.2 U6.7 | length 430
  Component Side w10: R20.1@2630,1796.57 2706.57,1796.57 2744.17,1834.17 R20.2@2744.17,1845.79 2744.17,2019.17 2778.98,2053.98 U6.7@2845,2053.98
NetR21_1: R21.1 R21.2 U6.5 | length 804.9
  Component Side w10: R21.1@2375,1796.57 2451.57,1796.57 2489.17,1834.17 R21.2@2489.17,1845.79 v2(2489.17,1964.17) ; v2(2944.17,1964.17) 2945,1965 U6.5@2945,2053.98
  Solder Side w10: v2(2489.17,1964.17) v2(2944.17,1964.17)
NetR23_1: R23.1 U7.6 U7.7 | length 551.9
  Component Side w15: U7.7@1045,2480 U7.6@1145,2480 1195,2430 1195,2145 1222.09,2117.91 R23.1@1222.09,2060
NetR25_2: R25.2 REL2.4 | length 160.9
  Component Side w10: REL2.4@2095,595 2150,595 2188.46,633.46 R25.2@2240,633.46
NetR26_2: R26.2 REL4.4 | length 154.7
  Component Side w10: REL4.4@2095,850 2170,850 2193.46,873.46 R26.2@2240,873.46
NetR28_1: R28.1 REL3.4 | length 514.1
  Component Side w10: R28.1@1345,937.91 1360,922.91 v2(1360,900) ; v2(1610,900) REL3.4@1610,1120
  Solder Side w10: v2(1360,900) v2(1610,900)
NetR30_2: R30.2 REL5.4 | length 834.8
  Component Side w10: R30.2@1225,1297.09 1225,1695 1290,1760 v2(1290,1890)
  Solder Side w10: v2(1290,1890) REL5.4@1505,1890
NetR31_1: R31.1 REL6.4 | length 512.9
  Component Side w10: R31.1@1335,1297.09 v2(1335,1640)
  Solder Side w10: v2(1335,1640) REL6.4@1505,1640
NetR32_1: R32.1 REL7.4 | length 199.3
  Component Side w10: R32.1@1445,1297.09 1527.09,1297.09 REL7.4@1610,1380
NetR36_2: R36.2 U11.20 | length 113.7
  Component Side w10: U11.20@2950.87,757.28 2950.87,709.13 2978.46,681.54 R36.2@2978.46,655
NetR39_1: R39.1 U11.9 | length 97.4
  Component Side w10: U11.9@2950.87,1025 2950.87,1102.4 R39.1@2965,1116.54
NetR39_2: R39.2 U12.3 | length 102.4
  Component Side w10: R39.2@2965,1183.46 3025.08,1183.46 U12.3@3055,1213.39
NetR40_2: R40.2 U11.4 | length 324.3
  Component Side w8: U11.4@3078.82,1025 3078.82,971.18 3115,935 3195,935 3250,880 R40.2@3311.54,880
NetR43_2: R43.2 U11.3 | length 269.2
  Component Side w8: U11.3@3104.41,1025 3104.41,975.59 3125,955 3205,955 3215,945 R43.2@3311.54,945
NetR44_2: R44.2 U11.2 | length 247.2
  Component Side w8: U11.2@3130,1025 3130,980 3140,970 3205,970 3245,1010 R44.2@3311.54,1010
NetR47_1: R47.1 U8.1 | length 2554.7
  Component Side w8: U8.1@2072.76,289.37 2120.63,289.37 2135,275 v2(2135,115) ; v2(4190,115) R47.1@4190,386.54
  Solder Side w8: v2(2135,115) v2(4190,115)
NetR48_2: R48.2 U8.6 | length 136.4
  Component Side w10: R48.2@2098.46,370 2145,370 2167.24,347.76 U8.6@2167.24,289.37
NetR49_2: R49.2 R50.1 U14.3 | length 289.4
  Component Side w10: R50.1@2280,328.46 2311.54,328.46 2325,315 U14.3@2372.48,315 2425,315 2440,300 2440,250 2421.54,231.54 R49.2@2421.54,190
NetR51_2: R51.2 U11.1 | length 176.7
  Component Side w8: U11.1@3155.59,1025 3200,1025 3250,1075 R51.2@3311.54,1075
NetR52_2: R52.2 U11.28 | length 246.7
  Component Side w8: U11.28@3155.59,757.28 3155.59,699.41 3235,620 R52.2@3311.54,620
NetR53_2: R53.2 U11.27 | length 280.2
  Component Side w8: U11.27@3130,757.28 3130,800 3140,810 3186.54,810 R53.2@3311.54,685
NetR54_2: R54.2 U11.26 | length 293.8
  Component Side w8: U11.26@3104.41,757.28 3104.41,804.41 3125,825 3200,825 3275,750 R54.2@3311.54,750
NetR55_2: R55.2 U11.25 | length 316.3
  Component Side w8: U11.25@3078.82,757.28 3078.82,823.82 3095,840 3220,840 3245,815 R55.2@3311.54,815
NetR56_1: R56.1 R59.1 | length 87.7
  Component Side w15: R59.1@568.46,1905 569.25,1905.79 R56.1@655.83,1905.79
NetR56_2: R56.2 R57.2 | length 107.1
  Component Side w15: R56.2@770,1955 862.91,1955 R57.2@867.91,1950
  Component Side w30: R56.2@770,1955 R56.2@775,1950
NetR56_3: R56.3 R58.2 | length 111.1
  Component Side w15: R56.3@655.83,2004.21 655.83,2114.29 R58.2@656.54,2115
NetR60_1: R60.1 U8.4 | length 67.4
  Component Side w8: U8.4@2167.24,210.63 2167.24,182.76 2171.54,178.46 R60.1@2171.54,145